# Altium PCB JDR2812（公开）.PcbDoc (part 2 of 3) (continued)
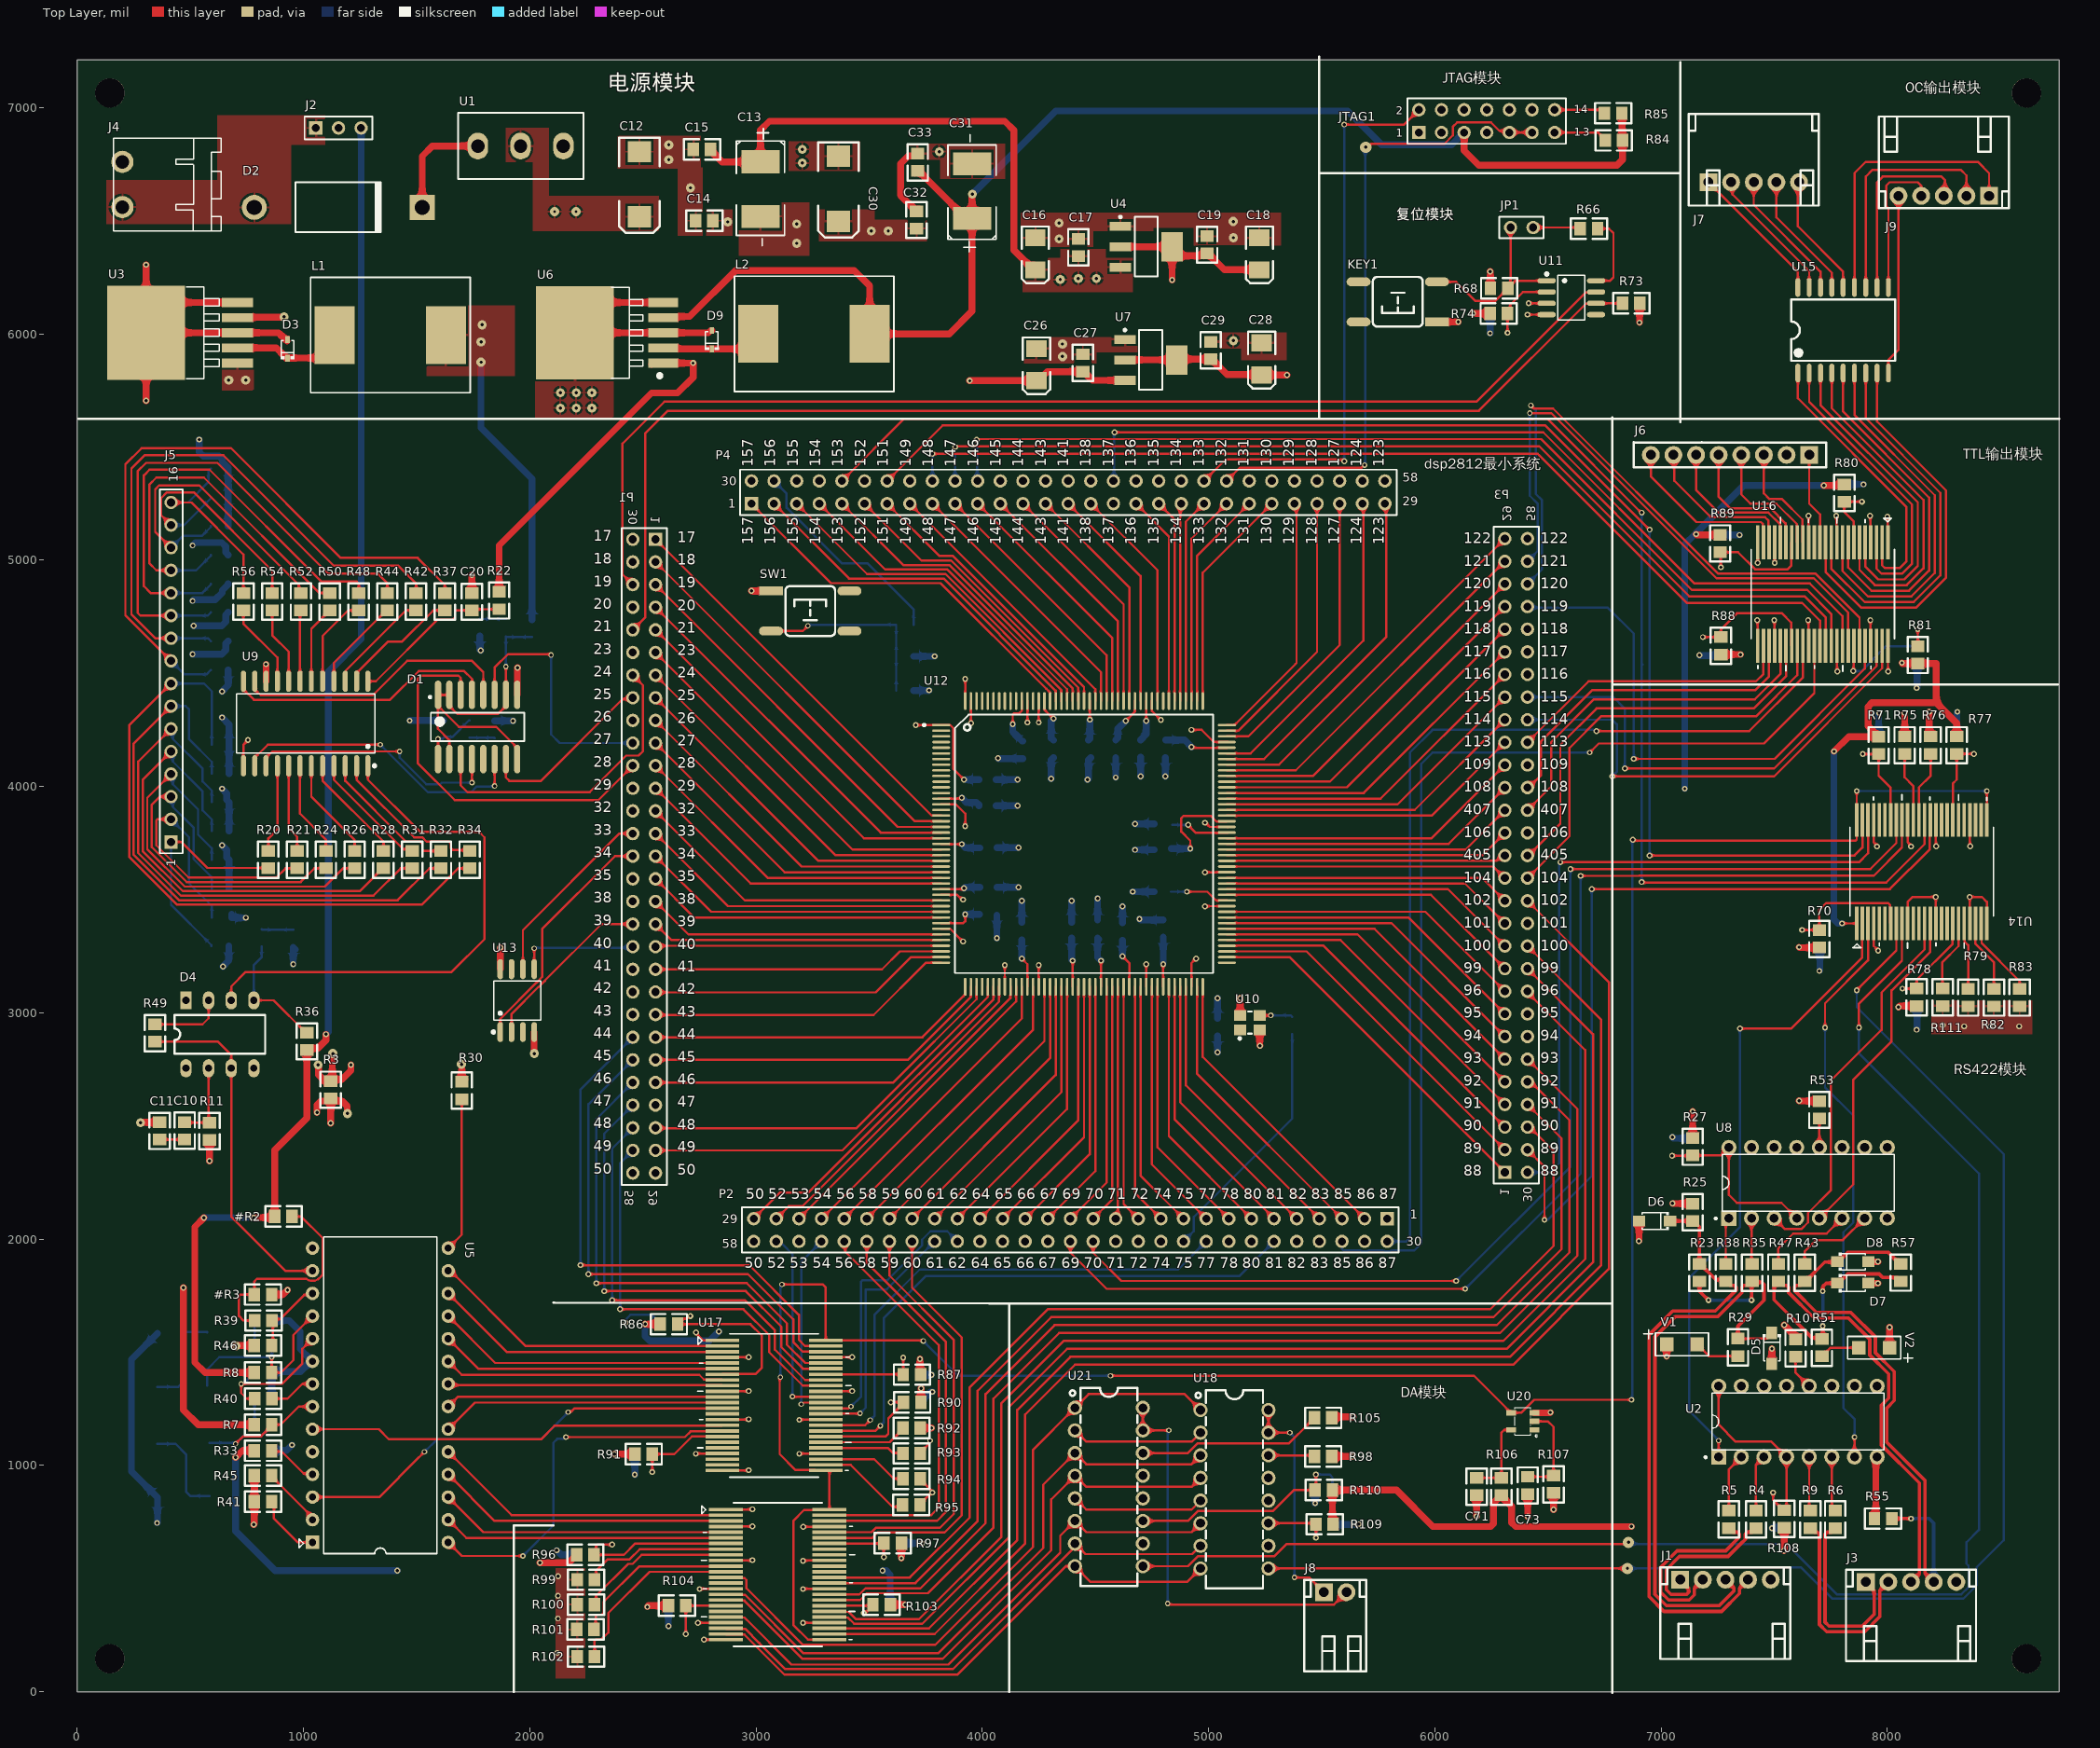
[diagram p0: Top Layer view]
## Nets (pads, with @x,y where several pads share a name; then routed paths per layer and width w, separated by ;. In a path a pad name is that pad's centre, name@x,y a point inside that pad or via, vN(x,y) a via of type N, cw(c..) or ccw(c..) an arc to the next point about the centre after c; other vN are vias at no path point) (continued)
  other v1: 2121.21,171.62 2743.75,303.75 3208,303.75 2124.84,323.58 2124.84,424.08 2750.75,453.75 3208,453.75 2125,510 3208,578.75 2984.76,581.25 2984.76,731.25 2984.76,806.25 2464.6,958.75 5635.18,1039.84 2734.38,1051.25 3191.62,1051.25 3191.62,1201.25 2968.38,1203.75 5640.18,1214.84 2968.38,1328.75 3425.62,1328.75 2968.38,1478.75 3425.62,1478.75 6901.91,1991.14 7051.14,2158.28 8130,2925 8340,2940 8455,2940 8583.31,2940 8245,2945 7700,3185 4725,3215 4985,3470 8216.25,3735.24 8366.25,3735.24 4070,4125 3950,4280 8310,4330 8130,4435 3925,4475 7779.38,4508.38 8004.38,4508.38 7170,4580 7425.62,4734.38 7500.62,4734.38 7650.62,4734.38 7651.25,5195.62 7774.38,5195.62 7924.38,5195.62 6905,6050
  other v2: 2135.73,5672.45 2205.37,5672.45 2275,5672.45 2135.73,5740 2205.37,5740 2275,5740 4355,5900 4355,5955 5110,5970 3180,6400 4340,6420 5110,6425 3180,6485 4340,6490 5109.4,6496.64 2710,6645 3205,6755 2615,6770 3810,6805 3205,6815 2615,6835
GND_OC: J9.5 U15.9 | length 801.6
  Top Layer w10: U15.9@8005,5827.04 8005,5885 8050,5930 J9.5@8050,6610
GNDA: C7.1 C8.2 C11.2 C23.2 C25.2 CT2.2 CT3.1 R3.2 R12.2 R13.2 R14.2 R15.2 R16.2 R17.2 R18.2 R19.2 R46.2 R58.1 R59.1 R60.1 R61.1 R62.1 R63.1 R64.1 R65.1 U5.9 | length 4366
  Top Layer w30: v2(280,2515) 280.9,2515.9 364.1,2515.9 C11.2@365,2516.8 ; v2(701.95,1527.51) 704.45,1530 R46.2@783.2,1530 ; v1(1060,2560) 1060,2592.83 1077.57,2610.41 1114.35,2610.41 R3.2@1121,2617.06 ; v1(1121,2511.87) R3.2@1121,2617.06 ; R3.2@1124.94,2621 R3.2@1122.97,2619.03 ; v2(1195,2555) 1194.04,2555.96 1194.04,2585.96 1169.38,2610.62 1131.38,2610.62 R3.2@1122.97,2619.03 ; R3.2@1121,2617.06 R3.2@1122.97,2619.03 ; R3.2@1121,2617.06 R3.2@1121,2621 R3.2@1122.97,2619.03
  Bottom Layer w30: v1(353.32,745.84) 355,747.51 CT2.2@355,858.78 240,973.78 240,1468.11 CT3.1@355,1583.11 ; v1(510,4585) 639.64,4585 657.21,4602.57 657.21,4631.55 R59.1@667.8,4642.14 ; v1(510,4820) 515,4825 610.04,4825 641.59,4856.55 641.59,4866.28 667.8,4892.49 R61.1@667.8,4896.43 ; v1(510,5065) 523.1,5078.1 639.64,5078.1 657.21,5060.53 657.21,5034.16 R62.1@667.8,5023.57 ; v1(515,4710) 639.64,4710 657.21,4727.57 657.21,4758.7 R60.1@667.8,4769.29 ; v1(540,5532.8) 540,5477.1 557.57,5459.53 626.94,5459.53 641.59,5444.88 641.59,5435.15 667.8,5408.94 R65.1@667.8,5405 R64.1@667.8,5277.86 R63.1@667.8,5150.71 ; v1(640,3740) 661.21,3718.79 661.21,3686.45 R15.2@671.8,3675.86 R14.2@671.8,3548.57 ; v1(640,3990) 661.21,3968.79 661.21,3941.02 R17.2@671.8,3930.43 R16.2@671.8,3803.14 ; v1(640,4305) 671.8,4273.2 R19.2@671.8,4185 R18.2@671.8,4057.71 ; v1(640,4420) 667.8,4447.8 R58.1@667.8,4515 ; v1(645,3205) 670,3230 R12.2@670,3295 ; R13.2@682.39,3435 682.39,3420 v1(745,3420) ; C7.1@860,1295 860.45,1295.45 860.45,1414.55 C25.2@860.9,1415 987.14,1415 1032.14,1460 U5.9@1040,1460 985.47,1514.53 985.47,1591.95 937.43,1640 865.9,1640 C8.2@860.9,1645 ; v1(955,3214.1) C23.2@955,3290 C23.2@965,3280
H_RX1: U8.3 U14.13 | length 1716.9
  Top Layer w10: U8.3@7500,2092.41 7548.46,2043.96 7620.07,2043.96 7650,2073.89 7650,2115 7750,2215 7750,2700 7975,2925 7975,3090 8165,3280 U14.13@8165,3395
H_RX2: U8.5 U14.14 | length 1505.6
  Top Layer w10: U8.5@7700,2092.41 7850,2242.43 7850,2705 8018.94,2873.94 8018.94,3098.94 8190,3270 U14.14@8190,3395
H_RX3: U14.16
H_RX4: U14.17
H_TX1: U2.1 U14.2 | length 2868.1
  Top Layer w10: U2.1@7250,1042.4 U2.1@7255,1037.4 v3(7255,1110) ; v1(7348.46,2930) 7575,2930 7887.87,3242.87 7887.87,3392.87 U14.2@7890,3395
  Bottom Layer w10: v3(7255,1110) 7125,1240 7125,1829.26 7348.46,2052.73 v1(7348.46,2930)
H_TX2: U2.7 U14.3 | length 2526.1
  Top Layer w10: v1(7725,2935) 7725,3041.57 7915,3231.57 U14.3@7915,3395 ; U2.7@7855,1037.41 v3(7855,1125)
  Bottom Layer w10: v1(7725,2935) 7725,2670.49 7850,2545.49 7850,2073.89 7806.54,2030.42 7806.54,1253.46 7855,1205 v3(7855,1125)
H_TX3: U14.5
H_TX4: U14.6
Net#R2_1: #R2.1 #R3.1 R39.2 | length 951.1
  Top Layer w10: R39.2@785,1640 735,1640 715,1660 715,1749.14 720.86,1755 #R3.1@783.2,1755 783.2,1813.2 795,1825 1012.47,1825 ccw(c1040,1860) 1063.79,1822.36 1065.58,1823.49 1067.55,1825.02 1069.51,1826.54 1084.53,1841.56 1084.53,2005.47 990,2100 #R2.1@950,2100
Net_7: ?.7 C66.2 R96.2 | length 835.9
  Top Layer w10: v1(2365,650) 2300,650 2293.67,643.67 2293.67,613.67 R96.2@2285,605 2416.71,605 2466.71,655 ?.7@2867.76,655
  Bottom Layer w10: C66.2@2285,605 2293.67,613.67 2293.67,643.67 2300,650 v1(2365,650)
Net_8: ?.8 R99.1 | length 655.5
  Top Layer w10: R99.1@2286.8,495 2293.67,501.87 2293.67,533.67 2345,585 2441.72,585 2486.72,630 ?.8@2867.76,630
Net_9: ?.9 R100.1 | length 690.7
  Top Layer w10: R100.1@2286.8,385 2293.67,391.87 2293.67,423.67 2435,565 2455,565 2495,605 ?.9@2867.76,605
Net_11: ?.11 R101.1 | length 757.8
  Top Layer w10: R101.1@2285,275 2291.91,281.91 2291.91,334.61 2297.77,340.47 2318.61,340.47 2327.39,349.26 2327.39,397.39 2482.87,552.87 2865.63,552.87 ?.11@2867.76,555
Net_12: ?.12 R102.1 | length 827.6
  Top Layer w10: R102.1@2286.8,155 2286.8,224.61 2292.66,230.47 2316.8,230.47 2347.39,261.06 2347.39,347.39 2530,530 ?.12@2867.76,530
Net_18: ?.18 C70.2 R104.2 | length 428.8
  Top Layer w10: v1(2690,255) R104.2@2690,380 ?.18@2867.76,380
  Bottom Layer w10: v1(2690,255) C70.2@2690,381
Net_31: ?.31 C69.2 R103.1 | length 308.3
  Top Layer w10: ?.31@3325,380 3511.9,380 R103.1@3516.9,385 3516.9,381.06 3486.9,351.06 3479.96,351.06 v4(3476.9,348)
  Bottom Layer w10: v4(3476.9,348) 3479.96,351.06 3486,351.06 3516,381.06 C69.2@3516,385
Net_42: ?.42 C67.2 R97.2 | length 362.8
  Top Layer w10: ?.42@3325,655 R97.2@3565,655 ; v1(3565,595) R97.2@3565,655 ; R97.2@3566,656 R97.2@3565,655
  Bottom Layer w10: v1(3565,595) 3565,655 C67.2@3566,656
NetC1_1: C1.1 C2.2 | length 110.7
  Bottom Layer w10: C1.1@1735,4215 1843.2,4215 C2.2@1845,4213.2
NetC1_2: C1.2 D1.16 R2.2 | length 262.7
  Top Layer w10: D1.16@1595,4121.22 v3(1595,4210)
  Bottom Layer w10: v3(1595,4210) 1615,4210 R2.2@1620,4215 1624.41,4219.41 1658.67,4219.41 1731.06,4291.8 C1.2@1735,4291.8
NetC3_1: C3.1 C4.2 | length 118.3
  Bottom Layer w10: C4.2@1780,4741.8 1781.8,4740 C3.1@1895,4740 C3.1@1896.8,4741.8
NetC3_2: C3.2 D1.1 D1.2 D1.7 D1.9 D1.15 R1.1 | length 1632.3
  Top Layer w10: D1.15@1645,4121.22 1645,4205 1595,4255 D1.1@1595,4355.79 ; D1.2@1645,4454.21 D1.2@1645,4405 ; v3(1895,4530) D1.7@1895,4405 1895,4355.79 1859.21,4320 1680.79,4320 1645,4355.79 D1.2@1645,4405 ; D1.9@1945,4121.22 1945,4170.43 1852.32,4263.11 1687.68,4263.11 D1.1@1595,4355.79 ; D1.1@1595,4355.79 D1.1@1595,4405 D1.2@1645,4405
  Bottom Layer w10: v3(1895,4530) C3.2@1895,4663.2 1898.2,4660 R1.1@2010,4660
NetC5_2: C5.2 R108.1 U2.4 U2.16 | length 971.2
  Top Layer w10: U2.16@7255,1350 7255,1180 7330,1105 7487.43,1105 U2.4@7555,1037.41 7555,811.8 R108.1@7545,801.8 7541.06,801.8 7495.87,847 7495.87,879.13 v1(7495,880)
  Bottom Layer w10: v1(7495,880) 7495.87,879.13 7495.87,847 7541.06,801.8 C5.2@7545,801.8
NetC6_1: C6.1 C7.2 | length 115.4
  Bottom Layer w10: C7.2@783.2,1295 784.1,1294.1 C6.1@784.1,1180
NetC6_2: C6.2 CT1.1 R7.1 U5.7 | length 724.1
  Top Layer w10: v3(700,1095) 734.06,1129.06 813,1129.06 860,1176.06 R7.1@860,1180 900,1180 980,1260 U5.7@1040,1260
  Bottom Layer w10: CT1.1@585,1100 v3@700,1100 ; v3(700,1095) 734.06,1129.06 813.9,1129.06 860.9,1176.06 C6.2@860.9,1180
NetC8_1: C8.1 C9.2 | length 120.4
  Bottom Layer w10: C9.2@783.2,1525 C9.2@784.1,1525.9 C8.1@784.1,1645
NetC9_1: C9.1 CT4.2 R8.1 U5.11 | length 843.2
  Top Layer w10: v3(860,1478.47) R8.1@860,1410 900,1410 955.6,1465.6 955.6,1575.6 U5.11@1040,1660
  Bottom Layer w10: CT4.2@575,1351.89 575,1425 628.47,1478.47 v3(860,1478.47) C9.1@860,1525
NetC10_1: C10.1 D4.7 R11.1 | length 352.4
  Top Layer w10: C10.1@475,2516.8 476.8,2515 R11.1@585,2515 581,2519 D4.7@581,2755
NetC10_2: C10.2 C11.1 | length 110
  Top Layer w10: C11.1@365,2440 C10.2@475,2440
NetC20_1: C20.1 R22.2 U9.24 | length 727
  Top Layer w10: U9.24@1285,4465 1320,4465 1592.61,4737.61 1660.74,4737.61 1669.53,4746.39 1669.53,4772.34 1675.39,4778.2 C20.1@1745,4778.2 1750,4783.2 R22.2@1865,4783.2
NetC21_2: C21.2 R27.1 U8.4 U8.16 | length 939.3
  Top Layer w10: v1(7049.15,2368.2) 7138.2,2368.2 R27.1@7140,2370 7265,2370 7296.86,2401.85 U8.16@7300,2405 7300,2340 7300,2195 7335,2160 7532.43,2160 U8.4@7600,2092.41 7608.32,2118.7 U8.4@7608.32,2120.98
  Bottom Layer w10: v1(7049.15,2368.2) C21.2@7140,2368.2
NetC22_1: C22.1 D4.4 R36.1 | length 545.6
  Top Layer w10: D4.4@781,3055 867.87,3055 1011.06,2911.8 R36.1@1015,2911.8
  Bottom Layer w10: D4.4@781,3055 781,3211 815,3245 C22.1@815,3293.2
NetC22_2: C22.2 C23.1 | length 141.3
  Bottom Layer w10: C22.2@815,3370 818.2,3366.8 C23.1@955,3366.8
NetC25_1: C25.1 R40.1 U5.10 | length 629.6
  Top Layer w10: R40.1@784.1,1295 750,1295 725,1320 v3(725,1360) 905,1360 995.47,1450.47 995.47,1515.47 U5.10@1040,1560
  Bottom Layer w10: v3(725,1360) 727.68,1362.68 735.71,1362.68 784.1,1411.06 C25.1@784.1,1415
NetC34_2: C34.2 R70.2 U14.7 | length 654.6
  Top Layer w10: v5(7623.36,3365.9) 7699.1,3365.9 R70.2@7700,3365 7700,3455 7730,3485 8003.89,3485 8012.87,3476.02 8012.87,3397.13 U14.7@8015,3395
  Bottom Layer w10: v5(7623.36,3365.9) C34.2@7700,3365.9
NetC35_2: C35.2 R71.2 U14.42 | length 453.3
  Top Layer w10: v1(7891.8,4143.2) R71.2@7962,4143.2 7962,4047.76 8015,3994.76 U14.42@8015,3852.24
  Bottom Layer w10: v1(7891.8,4143.2) C35.2@7962,4143.2
NetC54_2: C54.2 R67.2 R72.2 SW1.2 | length 855.9
  Top Layer w10: SW1.2@3066.77,4686.83 3206.83,4686.83 v3(3230,4710)
  Bottom Layer w10: v3(3230,4710) 3235,4715 R72.2@3620,4715 R67.2@3620,4575 C54.2@3620,4424
NetC55_1: C55.1 R74.2 U11.2 | length 398.3
  Top Layer w10: v5(6321.8,6004.98) R74.2@6321.8,6090 6333.67,6101.87 6333.67,6128.67 6390,6185 U11.2@6495,6185
  Bottom Layer w10: v5(6321.8,6004.98) C55.1@6321.8,6090
NetC56_2: C56.2 R77.1 U14.31 | length 452.3
  Top Layer w10: U14.31@8290,3852.24 8290,4013.21 8307,4030.21 R77.1@8307,4144.1 v1(8383.51,4144.1)
  Bottom Layer w10: C56.2@8307,4143.2 8307.9,4144.1 v1(8383.51,4144.1)
NetC57_2: C57.2 R78.1 U14.18 | length 483
  Top Layer w10: v1(8066.8,3106.8) R78.1@8130,3106.8 ; R78.1@8130,3105 R78.1@8130,3106.8 ; U14.18@8290,3395 8288.74,3393.74 8288.74,3303.74 8130,3145 R78.1@8130,3106.8
  Bottom Layer w10: v1(8066.8,3106.8) 8129.1,3106.8 C57.2@8130,3105.9
NetC58_2: C58.2 R80.2 U16.7 | length 354.3
  Top Layer w10: U16.7@7852.5,5078.62 7852.5,5170.7 7810,5213.2 R80.2@7810,5258.2 v5(7888.54,5258.2)
  Bottom Layer w10: C58.2@7810,5258.2 v5(7888.54,5258.2)
NetC59_2: C59.2 R81.2 U16.42 | length 593
  Top Layer w10: v1(7850,4510) 7851.25,4511.25 7851.25,4620.13 U16.42@7852.5,4621.38 ; R81.2@8135,4620 v1(8135,4695)
  Bottom Layer w10: v1(7850,4510) 7885,4510 7995,4620 C59.2@8135,4620 v1(8135,4695)
NetC60_2: C60.2 R86.2 U17.7 | length 859.5
  Top Layer w10: R86.2@2654,1624 R86.2@2674,1624 ; v4(2710,1660) 2705.67,1660 2694.2,1648.53 2674.59,1648.53 2674,1647.93 R86.2@2674,1624 ; U17.7@2851.38,1402.5 2853.5,1404.63 2999.63,1404.63 3025,1430 3025,1575 2976,1624 R86.2@2674,1624
  Bottom Layer w10: C60.2@2654,1624 2654,1627.94 2674.59,1648.53 2694.2,1648.53 2705.67,1660 v4(2710,1660)
NetC61_2: C61.2 R87.2 U17.42 | length 493
  Top Layer w10: U17.42@3308.62,1402.5 3649.5,1402.5 R87.2@3651,1401 v1(3651,1476)
  Bottom Layer w10: C61.2@3651,1401 v1(3651,1476)
NetC62_2: C62.2 R88.2 U16.31 | length 655.2
  Top Layer w10: v1(7185,4660) R88.2@7265,4660 7265,4695 7335,4765 7535,4765 7575.37,4724.63 7575.37,4623.5 U16.31@7577.5,4621.38
  Bottom Layer w10: v1(7185,4660) C62.2@7265,4660
NetC63_2: C63.2 R89.2 U16.18 | length 594.8
  Top Layer w10: v1(7264.15,4968.73) 7264.15,5032.52 R89.2@7261.67,5035 7340.8,5035 7415.8,4960 7560,4960 7575.37,4975.37 7575.37,5076.5 U16.18@7577.5,5078.62
  Bottom Layer w10: C63.2@7261.67,5035 7261.67,4966.25 v1(7264.15,4968.73)
NetC64_2: C64.2 R90.1 U17.31 | length 562.4
  Top Layer w10: U17.31@3308.62,1127.5 3572.5,1127.5 3585,1140 3585,1207.86 R90.1@3652.2,1275.06 ; v1(3596,1279) 3648.26,1279 R90.1@3652.2,1275.06 ; R90.1@3652.2,1279 R90.1@3652.2,1275.06
  Bottom Layer w10: v1(3596,1279) C64.2@3652.2,1279
NetC65_2: C65.2 R91.1 U17.18 | length 500.2
  Top Layer w10: v1(2541.8,970.75) R91.1@2541.8,1050 2639.3,1050 2716.8,1127.5 U17.18@2851.38,1127.5
  Bottom Layer w10: v1(2541.8,970.75) C65.2@2541.8,1050
NetC68_2: C68.2 R109.2 U18.11 | length 330.9
  Top Layer w10: U18.11@5265,744.61 5470.39,744.61 R109.2@5475,740 v5(5475,680)
  Bottom Layer w10: v5(5475,680) C68.2@5475,739
NetC71_2: C71.2 R106.2 U20.5 | length 357.8
  Top Layer w10: C71.2@6185,945 R106.2@6295,945 6295,1145 6306.83,1156.83 6336.86,1156.83 U20.5@6337.63,1157.6
NetC72_2: C72.2 R110.2 U21.11 | length 1022.5
  Top Layer w10: U21.11@4710,754.61 4909.24,754.61 4952.75,798.11 5284.26,798.11 5377.15,891 R110.2@5471,891 5475,895 v1(5475,960)
  Bottom Layer w10: v1(5475,960) 5535,960 5547.8,947.2 C72.2@5547.8,891
NetC73_2: C73.2 R107.2 U20.2 | length 436.1
  Top Layer w10: C73.2@6411,950 6520,950 R107.2@6525,955 6525,1170 6500,1195 U20.2@6440,1195 U20.2@6433.19,1188.19
NetCT1_2: CT1.2 CT2.1 | length 422.4
  Bottom Layer w10: CT2.1@355,1095 435,1095 481.22,1048.78 481.22,883.78 500,865 583.78,865 CT1.2@585,863.78
NetCT3_2: CT3.2 CT4.1 | length 447.4
  Bottom Layer w10: CT3.2@355,1346.89 446.89,1346.89 460,1360 460,1575 475,1590 573.11,1590 CT4.1@575,1588.11
NetD2_2: D2.2 U1.1 | length 490.7
  Top Layer w30: D2.2@1524.87,6559 1524.87,6784.87 1570,6830 U1.1@1771.02,6830
NetD3_2: D3.2 L1.1 U3.2 | length 473.1
  Top Layer w30: U3.2@708.66,5938.07 880.68,5938.07 924.84,5893.9 924.84,5893.47 925.2,5893.12 1074.49,5893.12 L1.1@1137,5955.63
NetD4_2: D4.2 R49.2 | length 327.2
  Top Layer w10: R49.2@344,2949 554,2949 581,2976 D4.2@581,3055
NetD4_3: D4.3 U9.1 | length 2415
  Top Layer w10: D4.3@692.57,3066.57 D4.3@681,3055 681,3116 745,3180 1655,3180 1800,3325 1800,3775 1775,3800 1515,3800 1285,4030 U9.1@1285,4091.46
NetD4_6: D4.6 R49.1 U5.13 | length 1534.1
  Top Layer w10: R49.1@344,2872.2 622.8,2872.2 681,2814 D4.6@681,2755 681,2099 920,1860 U5.13@1040,1860
NetD9_2: D9.2 L2.1 U6.2 | length 450.1
  Top Layer w30: U6.2@2589.63,5938.07 2594.23,5933.47 2804.65,5933.47 D9.2@2805,5933.12 2943.12,5933.12 L2.1@3010,6000
NetJ5_1: J5.1 R12.1 R20.1 | length 1012.2
  Top Layer w10: J5.1@415,3755 460,3755 575,3640 843.2,3640 R20.1@845,3638.2
  Bottom Layer w10: J5.1@415,3755 415,3477.13 593.2,3298.94 R12.1@593.2,3295
NetJ5_2: J5.2 R13.1 R21.1 | length 1383.4
  Top Layer w10: J5.2@415,3855 355,3855 350,3850 350,3739.73 492.13,3597.61 880.74,3597.61 921.33,3638.2 R21.1@972.14,3638.2
  Bottom Layer w10: J5.2@415,3855 494.41,3775.59 494.41,3572.83 595,3472.24 R13.1@595,3421.29
NetJ5_3: J5.3 R14.1 R24.1 | length 1627.1
  Top Layer w10: J5.3@415,3955 365,3955 330,3920 330,3731.45 483.84,3577.61 987.88,3577.61 1048.47,3638.2 R24.1@1099.29,3638.2
  Bottom Layer w10: J5.3@415,3955 422.5,3947.5 422.5,3910.47 514.41,3818.56 514.41,3680.12 595,3599.53 R14.1@595,3548.57
NetJ5_4: J5.4 R15.1 R26.1 | length 1847.4
  Top Layer w10: J5.4@415,4055 310,3950 310,3723.16 475.56,3557.61 1095.03,3557.61 1175.62,3638.2 R26.1@1226.43,3638.2
  Bottom Layer w10: J5.4@415,4055 422.5,4047.5 422.5,4010.47 534.41,3898.56 534.41,3787.4 595,3726.81 R15.1@595,3675.86
NetJ5_5: J5.5 R16.1 R28.1 | length 2097
  Top Layer w10: J5.5@415,4155 290,4030 290,3714.88 467.27,3537.61 1249.04,3537.61 1349.63,3638.2 R28.1@1353.57,3638.2
  Bottom Layer w10: J5.5@415,4155 422.5,4147.5 422.5,4110.47 554.41,3978.56 554.41,3894.69 595,3854.1 R16.1@595,3803.14
NetJ5_6: J5.6 R17.1 R31.1 | length 2346.5
  Top Layer w10: J5.6@415,4255 270,4110 270,3706.59 458.99,3517.61 1309.31,3517.61 1429.9,3638.2 R31.1@1480.71,3638.2
  Bottom Layer w10: J5.6@415,4255 422.5,4247.5 422.5,4210.47 554.41,4078.56 554.41,4021.97 595,3981.38 R17.1@595,3930.43
NetJ5_7: J5.7 R18.1 R32.1 | length 2634.2
  Top Layer w10: J5.7@415,4355 250,4190 250,3698.31 450.7,3497.61 1416.46,3497.61 1557.05,3638.2 R32.1@1607.86,3638.2
  Bottom Layer w10: J5.7@415,4355 480,4355 495,4340 495,4208.67 595,4108.67 R18.1@595,4057.71
NetJ5_8: J5.8 R19.1 R34.1 | length 2930.6
  Top Layer w10: J5.8@415,4455 230,4270 230,3690.03 442.42,3477.61 1523.6,3477.61 1684.19,3638.2 R34.1@1735,3638.2
  Bottom Layer w10: J5.8@415,4455 560,4455 595,4420 R19.1@595,4185
NetJ5_9: J5.9 R37.1 R58.2 | length 2888.2
  Top Layer w10: J5.9@415,4555 213.04,4756.96 213.04,5423.04 285,5495 680,5495 1165,5010 1505,5010 1625,4890 R37.1@1625,4855
  Bottom Layer w10: J5.9@415,4555 475,4495 571,4495 R58.2@591,4515
NetJ5_10: J5.10 R42.1 R59.2 | length 2603.5
  Top Layer w10: J5.10@415,4655 345,4655 240,4760 240,5405 298.36,5463.36 646.64,5463.36 1135,4975 1420,4975 1497.86,4897.14 R42.1@1497.86,4855
  Bottom Layer w10: J5.10@415,4655 578.14,4655 R59.2@591,4642.14
NetJ5_11: J5.11 R44.1 R60.2 | length 2342.7
  Top Layer w10: J5.11@415,4755 280,4755 267.16,4767.84 267.16,5392.16 305,5430 620,5430 1110,4940 1330,4940 1370.71,4899.29 R44.1@1370.71,4855
  Bottom Layer w10: J5.11@415,4755 576.71,4755 R60.2@591,4769.29
NetJ5_12: J5.12 R48.1 R61.2 | length 2028
  Top Layer w10: J5.12@415,4855 325,4855 295,4885 295,5375 320,5400 585,5400 1080,4905 1235,4905 1245,4895 1245,4856.43 R48.1@1243.57,4855
  Bottom Layer w10: J5.12@415,4855 553.51,4855 591,4892.49 R61.2@591,4896.43
NetJ5_13: J5.13 R50.1 R62.2 | length 1684.2
  Top Layer w10: J5.13@415,4955 350,4955 320,4985 320,5335 350,5365 560,5365 1070,4855 R50.1@1116.43,4855
  Bottom Layer w10: J5.13@415,4955 526.36,4955 591,5019.64 R62.2@591,5023.57
NetJ5_14: J5.14 R52.1 R63.2 | length 1368.1
  Top Layer w10: J5.14@415,5055 345,5125 345,5313.1 361.9,5330 540,5330 980.27,4889.73 980.27,4864.02 R52.1@989.29,4855
  Bottom Layer w10: J5.14@415,5055 468.1,5108.1 552.32,5108.1 591,5146.78 R63.2@591,5150.71
NetJ5_15: J5.15 R54.1 R64.2 | length 1110
  Top Layer w10: J5.15@415,5155 370.47,5199.53 370.47,5273.44 396.56,5299.53 515.47,5299.53 862.14,4952.86 R54.1@862.14,4855
  Bottom Layer w10: J5.15@415,5155 472.08,5155 591,5273.92 R64.2@591,5277.86
NetJ5_16: J5.16 R56.1 R65.2 | length 852.1
  Top Layer w10: J5.16@415,5255 505,5255 735,5025 R56.1@735,4855
  Bottom Layer w10: J5.16@415,5255 490,5255 580,5345 580,5394 R65.2@591,5405
NetJP1_1: JP1.1 R66.2 | length 210.3
  Top Layer w10: JP1.1@6435,6470 6638.2,6470 R66.2@6643.2,6465
NetJP1_2: JP1.2 KEY1.2 R68.1 U11.1 | length 808.7
  Top Layer w10: KEY1.2@6010,6230 6095,6230 6180,6145 6266.8,6145 R68.1@6322.8,6201 ; R68.1@6322.8,6204.94 R68.1@6335,6217.14 ; JP1.2@6335,6470 R68.1@6335,6217.14 ; U11.1@6495,6235 6356.8,6235 6347.33,6225.53 6343.39,6225.53 R68.1@6335,6217.14
NetR4_1: R4.1 U2.3 | length 251.9
  Top Layer w10: R4.1@7420,800 7420,1002.42 U2.3@7455,1037.41
NetR5_1: R5.1 U2.2 | length 275.6
  Top Layer w10: R5.1@7300,800 7300,982.42 U2.2@7355,1037.41 U2.2@7355,1022.02
NetR6_1: R6.1 U2.6 | length 243.6
  Top Layer w10: U2.6@7755,1037.41 7755,815 R6.1@7770,800
NetR9_1: R9.1 U2.5 | length 239.5
  Top Layer w10: U2.5@7655,1037.41 7655,805 R9.1@7660,800
NetR10_1: R10.1 U2.12 | length 154.9
  Top Layer w10: R10.1@7595,1480 7595,1410 U2.12@7655,1350
NetR20_2: R20.2 U9.9 | length 393.7
  Top Layer w10: R20.2@845,3715 845,3770 885.86,3810.86 885.86,3819.14 885,3820 U9.9@885,4091.46
NetR21_2: R21.2 U9.8 | length 391.8
  Top Layer w10: U9.8@935,4091.46 935,3815 972.14,3777.86 R21.2@972.14,3715
NetR24_2: R24.2 U9.7 | length 423.8
  Top Layer w10: U9.7@985,4091.46 985,3880 1099.29,3765.71 R24.2@1099.29,3715
NetR26_2: R26.2 U9.6 | length 455.8
  Top Layer w10: U9.6@1035,4091.46 1035,3955 1226.43,3763.57 R26.2@1226.43,3715
NetR28_2: R28.2 U9.5 | length 487.7
  Top Layer w10: U9.5@1085,4091.46 1085,4025 1353.57,3756.43 R28.2@1353.57,3715
NetR29_1: R29.1 V1.2 | length 201.5
  Top Layer w10: V1.2@7160,1535 7211.8,1483.2 R29.1@7340,1483.2
NetR30_1: R30.1 U5.15 | length 683
  Top Layer w10: U5.15@1640,1960 1700,2020 R30.1@1700,2618.2
NetR31_2: R31.2 U9.4 | length 537.7
  Top Layer w10: U9.4@1135,4091.46 1135,4030 1442.04,3722.96 1472.76,3722.96 R31.2@1480.71,3715
NetR32_2: R32.2 U9.3 | length 632.9
  Top Layer w10: U9.3@1185,4091.46 1185,4025 1454.41,3755.59 1481.12,3755.59 1516.45,3755.59 1525.24,3746.8 1525.24,3735.59 1525.24,3720.86 1531.1,3715 R32.2@1607.86,3715
NetR33_1: R33.1 U5.4 | length 223.5
  Top Layer w10: R33.1@860,1065 863.94,1061.06 903.94,1061.06 1001.33,963.67 1036.33,963.67 U5.4@1040,960
NetR34_2: R34.2 U9.2 | length 703.2
  Top Layer w10: U9.2@1235,4091.46 1235,4030 1489.41,3775.59 1524.74,3775.59 1544.74,3755.59 1643.6,3755.59 1652.38,3746.8 1652.38,3727.62 1661.33,3718.67 1731.33,3718.67 R34.2@1735,3715
NetR35_2: R35.2 U8.2 | length 203.4
  Top Layer w10: U8.2@7400,2092.41 7400,1892.5 R35.2@7402.5,1890
NetR37_2: R37.2 U9.23 | length 540.6
  Top Layer w10: U9.23@1235,4465 1235,4500.71 1374.95,4640.66 1436.65,4640.66 1574.19,4778.2 R37.2@1625,4778.2
NetR38_2: R38.2 U8.1 | length 208.1
  Top Layer w10: R38.2@7286.25,1890 7286.25,2078.65 U8.1@7300,2092.4
NetR39_1: R39.1 R46.1 U5.12 | length 341.3
  Top Layer w10: R46.1@860,1530 865,1535 865,1636.8 R39.1@861.8,1640 868.34,1646.54 896.54,1646.54 1003.51,1753.51 1033.51,1753.51 U5.12@1040,1760
NetR40_2: R40.2 U5.8 | length 206
  Top Layer w10: R40.2@860.9,1295 930,1295 995,1360 U5.8@1040,1360
NetR41_1: R41.1 U5.1 | length 292.6
  Top Layer w10: R41.1@860,840 870,830 870,765 975,660 U5.1@1040,660
NetR42_2: R42.2 U9.22 | length 468.9
  Top Layer w10: U9.22@1185,4465 1187.41,4467.41 1187.41,4512.41 1453.2,4778.2 R42.2@1497.86,4778.2
NetR43_2: R43.2 U8.7 | length 381.1
  Top Layer w10: R43.2@7635,1890 7635,1945 7686.06,1996.06 7803.64,1996.06 U8.7@7900,2092.41
NetR44_2: R44.2 U9.21 | length 413.1
  Top Layer w10: U9.21@1135,4465 1135,4546.42 1366.78,4778.2 R44.2@1370.71,4778.2
NetR45_1: R45.1 U5.2 | length 269.6
  Top Layer w10: R45.1@860,955 860,951.06 1040,771.06 U5.2@1040,760
NetR47_2: R47.2 U8.6 | length 405.4
  Top Layer w10: R47.2@7518.75,1890 7518.75,1958.75 7583.96,2023.96 7731.54,2023.96 U8.6@7800,2092.41
NetR48_2: R48.2 U9.20 | length 405.5
  Top Layer w10: U9.20@1085,4465 1085,4665 1198.2,4778.2 R48.2@1243.57,4778.2
NetR50_2: R50.2 U9.19 | length 346.9
  Top Layer w10: U9.19@1035,4465 1035,4696.77 R50.2@1116.43,4778.2
NetR51_1: R51.1 V2.2 | length 178
  Top Layer w10: R51.1@7714.94,1482.2 7735.53,1502.79 7735.53,1506.73 7748.8,1520 V2.2@7875,1520
NetR52_2: R52.2 U9.18 | length 315
  Top Layer w10: U9.18@985,4465 985,4773.91 R52.2@989.29,4778.2
NetR53_1: R53.1 U8.12 | length 128.2
  Top Layer w10: U8.12@7700,2405 R53.1@7700,2533.2
NetR54_2: R54.2 U9.17 | length 343.4
  Top Layer w10: R54.2@862.14,4778.2 862.14,4668.5 935,4595.64 U9.17@935,4465
NetR56_2: R56.2 U9.16 | length 375.3
  Top Layer w10: R56.2@735,4778.2 735,4720 885,4570 U9.16@885,4465
NetR66_1: R66.1 U11.8 | length 356.2
  Top Layer w10: U11.8@6713.3,6235 6775,6235 6790,6250 6790,6445 6770,6465 R66.1@6720,6465
NetR69_2: R69.2 U10.3 | length 170.7
  Top Layer w10: U10.3@5209.62,3005 U10.3@5226.62,2988 5274.84,2988 v1(5275.7,2988.86)
  Bottom Layer w10: v1(5275.7,2988.86) 5362.95,2988.86 R69.2@5370,2981.8
NetR75_1: R75.1 U14.38 | length 307.6
  Top Layer w10: R75.1@8077,4144.1 8077,4040.71 8115,4002.71 U14.38@8115,3852.24
NetR76_1: R76.1 U14.37 | length 313.4
  Top Layer w10: U14.37@8140,3852.24 8140,3995.71 8192,4047.71 R76.1@8192,4144.1
NetR79_1: R79.1 U14.20 | length 297.2
  Top Layer w10: U14.20@8340,3395 8342.13,3392.87 8342.13,3313.98 8357.5,3298.61 R79.1@8357.5,3105
NetR82_1: R82.1 U14.22 | length 323.7
  Top Layer w10: U14.22@8390,3395 8390,3305 8471.25,3223.75 R82.1@8471.25,3105
NetR83_1: R83.1 U14.23 | length 360.4
  Top Layer w10: U14.23@8415,3395 8417.13,3392.87 8417.13,3307.87 8585,3140 R83.1@8585,3105
NetR92_1: R92.1 U17.30 | length 369.6
  Top Layer w10: U17.30@3308.62,1102.5 3591.44,1102.5 3650,1161.06 R92.1@3650,1165
NetR93_1: R93.1 U17.29 | length 351.5
  Top Layer w10: U17.29@3308.62,1077.5 3582.5,1077.5 3605,1055 3648.15,1055 R93.1@3650,1053.15
NetR94_1: R94.1 U17.27 | length 377.1
  Top Layer w10: U17.27@3308.62,1027.5 3522.5,1027.5 3608.69,941.31 R94.1@3650,941.31
NetR95_1: R95.1 U17.26 | length 419.7
  Top Layer w10: U17.26@3308.62,1002.5 3418.36,1002.5 3603.79,817.07 3640.26,817.07 R95.1@3648.2,825
NetR98_2: R98.2 U18.14 | length 205.1
  Top Layer w10: U18.14@5265,1044.61 5463.59,1044.61 R98.2@5468.2,1040
NetR105_2: R105.2 U21.14 | length 824.9
  Top Layer w10: U21.14@4710,1054.61 4909.24,1054.61 4952.75,1098.11 5356.31,1098.11 5443.67,1185.47 5447.61,1185.47 5468.2,1206.06 R105.2@5468.2,1210
NetR111_1: R111.1 U14.19 | length 319.5
  Top Layer w10: R111.1@8243.75,3105 8243.75,3223.75 8315,3295 U14.19@8315,3395
OC1: J7.1 U15.18 | length 628.6
  Top Layer w10: J7.1@7210,6670 7605,6275 U15.18@7605,6205
OC2: J7.2 U15.17 | length 608.6
  Top Layer w10: J7.2@7310,6670 7316.09,6663.91 7316.09,6615.63 7655.86,6275.86 7655,6275 U15.17@7655,6205
OC3: J7.3 U15.16 | length 587.2
  Top Layer w10: J7.3@7410,6670 7410,6570 7705,6275 U15.16@7705,6205
OC4: J7.4 U15.15 | length 566.5
  Top Layer w10: J7.4@7510,6670 7510,6515 7755,6270 U15.15@7755,6205
OC5: J7.5 U15.14 | length 549.9
  Top Layer w10: J7.5@7610,6670 7605,6665 7605,6475 7805,6275 U15.14@7805,6205
OC6: J9.1 U15.13 | length 1241.4
  Top Layer w10: U15.13@7855,6205 7855,6710 7905,6760 8400,6760 8450,6710 J9.1@8450,6610
OC7: J9.2 U15.12 | length 1047.8
  Top Layer w10: U15.12@7905,6205 7905,6695 7935,6725 8325,6725 8350,6700 J9.2@8350,6610
OC8: J9.3 U15.11 | length 853.6
  Top Layer w10: U15.11@7955,6205 7955,6670 7980,6695 8240,6695 8255,6680 8255,6615 J9.3@8250,6610
OC_D0: U15.1 U16.2 | length 1256.9
  Top Layer w10: U15.1@7605,5827.04 7605,5715 8085,5235 8085,4995.36 8054.64,4965 7990,4965 7977.5,4977.5 U16.2@7977.5,5078.62
OC_D0_FPGA: P3.50 U16.47 | length 2130.7
  Top Layer w10: v1(6785,4045) 7500,4045 7977.5,4522.5 U16.47@7977.5,4621.38
  Bottom Layer w10: P3.50@6410,4295 6785,4295 6805,4275 6805,4065 v1(6785,4045)
OC_D1: U15.2 U16.3 | length 1332.1
  Top Layer w10: U15.2@7655,5827.04 7655,5700.36 8110,5245.36 8110,4985 8065,4940 7975,4940 7952.5,4962.5 U16.3@7952.5,5078.62
OC_D1_FPGA: P3.51 U16.46 | length 2104
  Top Layer w10: v1(6840,4080) 7500,4080 7952.5,4532.5 U16.46@7952.5,4621.38
  Bottom Layer w10: P3.51@6410,4395 6789.14,4395 6840,4344.14 v1(6840,4080)
OC_D2: U15.3 U16.5 | length 1417.7
  Top Layer w10: U15.3@7705,5827.04 7705,5685.71 8135,5255.71 8135,4974.64 8075.36,4915 7960,4915 7902.5,4972.5 U16.5@7902.5,5078.62